# KiCad board Thermal_Camera.kicad_pcb (continued)
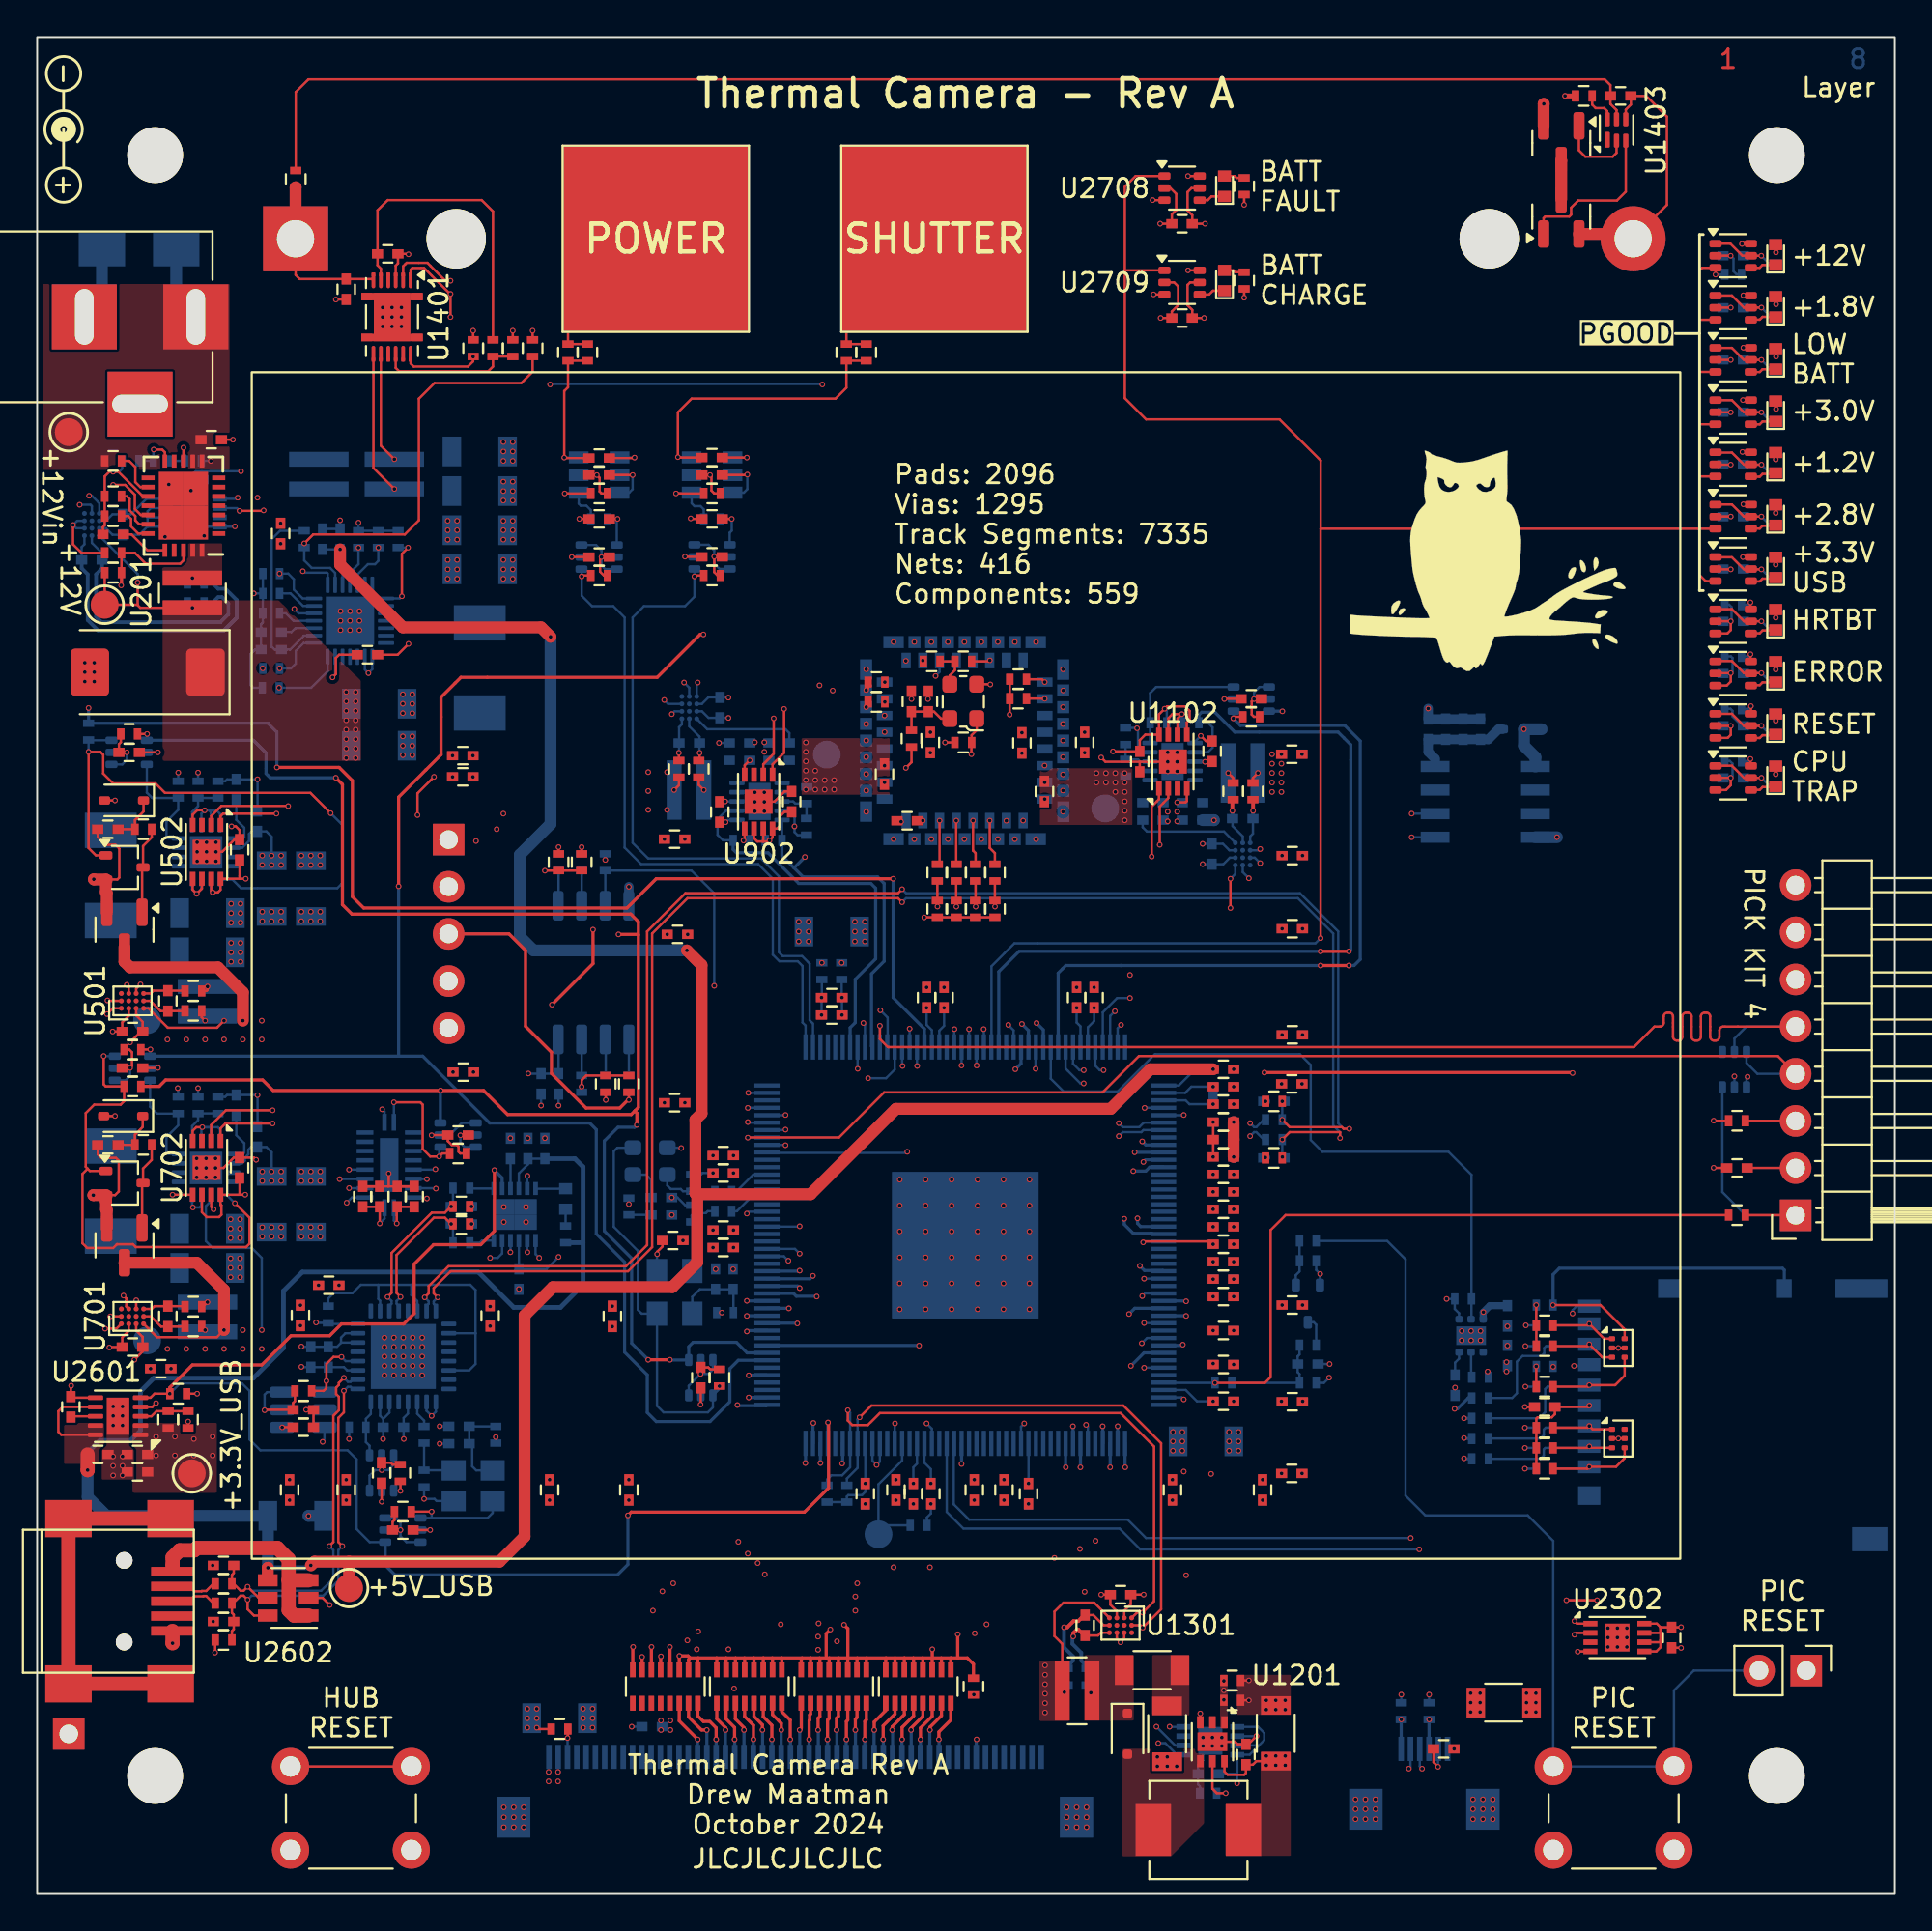
[diagram p0: board, top side]
## Routing (per net, layer and track width the routed paths; a pad name or vN(x,y) marks a point on that pad's centre or on a via; arc(x,y) is an arc through that point) (continued)
Net-(C607-Pad1): length 0.4
  Top w0.127: v1(9.17,31.87) 8.93,31.63 R605.2
Net-(C802-Pad1): length 0.8
  Top w0.127: R805.2 35.61,59.73 v1(35.89,59.45)
Net-(C1003-Pad1): length 0.6
  Top w0.127: R1006.2 64.38,60.1 v1(64.11,60.37)
Net-(C1405-Pad2): length 1.9
  Top w0.127: C1405.2 19.41,66.74 v1(19.99,67.32)
Net-(C1501-Pad1): length 5.8
  Bottom w0.127: R1503.2 67.95,29.05 67.85,28.95 C1501.1 67.85,28.1 67.95,28 R1504.2 R1505.2
Net-(C2905-Pad1): length 2.6
  Top w0.127: v1(37.39,74.05) C2905.1
  Bottom w0.127: R2907.1 v1(37.39,74.05) 37.39,73.42 37.28,73.31 U2903.1
Net-(C2906-Pad1): length 2.4
  Top w0.127: C2906.1 v1(31.24,74.05)
  Bottom w0.127: U2904.1 31.2,74.01 v1(31.24,74.05) R2908.1
Net-(D401-K): length 2.6
  Top w0.127: C403.1 R404.1 5.27,57.83 5.73,58.29 D401.1
Net-(D601-K): length 2.6
  Top w0.127: D601.1 5.68,41.31 5.27,40.89 R604.1 C603.1
Net-(D1201-K): length 0.5
  Bottom w0.127: R1204.2 56.52,11.04 v1(56.72,10.83)
Net-(D1501B-K2): length 12.8
  Top w0.127: L1501.2 94.65,36.56 J1501.1
  Bottom w0.127: J1501.1 91.96,36.55 90.71,37.8 D1501.3
Net-(D2001A-K1): length 5.5
  Top w0.127: R2013.2 83.47,30.62 v1(83.55,30.7) 84.35,29.9 D2001.1
  Bottom w0.127: R2013.2 83.47,30.62 v1(83.55,30.7)
Net-(D2001B-K2): length 11.3
  Top w0.127: D2001.3 84.25,28.9 v1(83.55,29.6) 83.45,29.5 R2014.2
  Bottom w0.127: R2010.1 79.4,26.71 79.65,26.96 79.65,28.66 79.96,28.97 80.97,28.97 81.13,29.12 81.13,29.4 81.23,29.5 R2014.2 83.45,29.5 v1(83.55,29.6)
Net-(D2001C-K3): length 12
  Top w0.127: D2001.4 85.46,27.91 84.94,27.4 v1(83.55,27.4) 83.47,27.32 R2015.2
  Bottom w0.127: v1(83.55,27.4) 83.47,27.32 R2015.2 81.31,27.32 81.18,27.19 81.18,25.95 80.85,25.62 R2008.1
Net-(D2002A-K1): length 9.2
  Top w0.127: R2016.2 83.46,25.11 v1(83.55,25.2) 83.73,25.02 D2002.1
  Bottom w0.127: R2009.1 80.92,24.52 81.1,24.7 81.1,25.01 81.2,25.11 R2016.2 83.46,25.11 v1(83.55,25.2)
Net-(D2002B-K2): length 9.1
  Top w0.127: D2002.3 83.63,24.02 v1(83.55,24.1) 83.47,24.02 R2017.2
  Bottom w0.127: v1(83.55,24.1) 83.47,24.02 R2017.2 81.18,24.02 81.1,23.94 81.1,23.61 80.92,23.43 R2007.1
Net-(D2002C-K3): length 6.6
  Top w0.127: R2019.2 83.45,22.9 v1(83.55,23) 84.99,23 85.46,23.47 D2002.4
  Bottom w0.127: v1(83.55,23) 83.45,22.9 R2019.2
Net-(D2201-A): length 0.9
  Bottom w0.127: R2201.2 D2201.2
Net-(D2301-K): length 5.8
  Bottom w0.508: U2301.8 75.25,61.13 74.88,61.51 C2304.1 C2301.1 78.11,62.18 78.66,62.73 D2301.1
Net-(D2701-A): length 0.8
  Top w0.127: v1(93.6,88.4) 93.58,88.42 D2701.2
  Bottom w0.127: v1(93.6,88.4) 93.6,88.71 R2702.2
Net-(D2701-K): length 1.4
  Top w0.127: U2701.4 92.72,87.58 92.87,87.73 D2701.1
Net-(D2702-A): length 0.8
  Top w0.127: 93.59,86.03 93.59,85.63 v1(93.61,85.61)
  Bottom w0.127: v1(93.61,85.61) 93.61,85.92 93.59,85.93
Net-(D2702-K): length 1.4
  Top w0.127: 92.25,84.78 92.73,84.78 92.88,84.93 93.59,84.93
Net-(D2703-A): length 0.8
  Top w0.127: 93.59,83.21 93.59,82.81 v1(93.61,82.79)
  Bottom w0.127: 93.59,83.11 93.61,83.1 v1(93.61,82.79)
Net-(D2703-K): length 1.4
  Top w0.127: 92.25,81.96 92.73,81.96 92.88,82.11 93.59,82.11
Net-(D2704-A): length 0.8
  Top w0.127: v1(93.61,79.97) 93.59,79.99 93.59,80.4
  Bottom w0.127: v1(93.61,79.97) 93.61,80.28 93.59,80.3
Net-(D2704-K): length 1.4
  Top w0.127: 92.25,79.14 92.73,79.14 92.88,79.3 93.59,79.3
Net-(D2705-A): length 0.5
  Top w0.127: v1(93.59,77.25) 93.59,77.58
  Bottom w0.127: v1(93.59,77.25) 93.59,77.48
Net-(D2705-K): length 1.4
  Top w0.127: 93.59,76.48 92.88,76.48 92.73,76.32 92.25,76.32
Net-(D2706-A): length 0.7
  Top w0.127: v1(93.59,74.37) 93.59,74.78
  Bottom w0.127: v1(93.59,74.37) 93.59,74.68
Net-(D2706-K): length 1.4
  Top w0.127: 93.59,73.68 92.88,73.68 92.73,73.53 92.25,73.53
Net-(D2707-A): length 0.6
  Top w0.127: v1(93.59,71.59) 93.59,71.94
  Bottom w0.127: v1(93.59,71.59) 93.59,71.84
Net-(D2707-K): length 1.4
  Top w0.127: 92.25,70.69 92.73,70.69 92.88,70.84 93.59,70.84
Net-(D2708-A): length 1.1
  Top w0.127: D2708.2 64.46,92.52 64.56,92.42 R2709.2
Net-(D2708-K): length 1.4
  Top w0.127: U2708.4 63.01,91.22 63.21,91.42 D2708.1
Net-(D2709-A): length 1.1
  Top w0.127: R2710.2 64.49,87.34 64.39,87.44 D2709.2
Net-(D2709-K): length 1.4
  Top w0.127: U2709.4 63.09,86.14 63.29,86.34 D2709.1
Net-(D2801-A): length 0.7
  Top w0.127: v1(93.59,68.74) 93.59,69.14
  Bottom w0.127: v1(93.59,68.74) 93.59,69.04
Net-(D2801-K): length 1.4
  Top w0.127: 93.59,68.04 92.88,68.04 92.73,67.89 92.25,67.89
Net-(D2802-A): length 0.7
  Top w0.127: v1(93.59,65.94) 93.59,66.35
  Bottom w0.127: v1(93.59,65.94) 93.59,66.25
Net-(D2802-K): length 1.4
  Top w0.127: 93.59,65.25 92.88,65.25 92.73,65.1 92.25,65.1
Net-(D2803-A): length 0.5
  Top w0.127: v1(93.59,63.18) 93.59,63.5
  Bottom w0.127: v1(93.59,63.18) 93.59,63.4
Net-(D2803-K): length 1.4
  Top w0.127: 93.59,62.4 92.88,62.4 92.73,62.25 92.25,62.25
Net-(D2804-A): length 0.7
  Top w0.127: v1(93.59,60.3) 93.59,60.71
  Bottom w0.127: v1(93.59,60.3) 93.59,60.61
Net-(D2804-K): length 1.4
  Top w0.127: 92.25,59.46 92.73,59.46 92.88,59.61 93.59,59.61
Net-(J1401--): length 14.1
  Top w0.127: J1401.2 87.73,90.96 87.73,95.72 86.62,96.83 C1414.1 85.79,96.37 85.52,96.1 U1403.4
  Top w0.635: Q1401.2 85.65,89.4 J1401.2
Net-(J1501-Pin_3): length 2.7
  Top w0.127: J1501.3 94.65,41.64 L1502.1
Net-(J1502-Pin_2): length 54.7
  Bottom w0.127: R1501.1 72.67,35.17 73.66,34.18 73.66,21.45 74.73,20.38 80.24,20.38 81.61,19.01 SW1501.2 SW1501.2 88.11,10.96 89.18,12.03 J1502.2
Net-(J2601-VBUS): length 12.2
  Top w0.762: 13.54,16.9 13.54,18.02 12.93,18.63 8.59,18.63 8.46,18.5 7.67,18.5 7.29,18.12 7.29,17.69 7.29,17.69 ; 13.54,16.9 13.54,15.28 13.83,14.99 U2602.1 ; 13.54,16.9 13.55,16.89 U2602.3
Net-(Q401-D): length 4.7
  Top w0.127: R404.2 6.16,56.9 5.7,56.44 Q401.3 5.65,55.23 Q402.1
Net-(Q601-D): length 4.7
  Top w0.127: Q602.1 5.65,38.23 Q601.3 5.7,39.06 6.16,39.53 R604.2
Net-(Q1401-D): length 2.1
  Top w0.635: Q1402.3 82.04,93.35 Q1401.3
Net-(Q1401-G): length 8.8
  Top w0.127: Q1401.1 81.09,90.25 81.18,90.34 82.47,90.34 82.58,90.44 82.58,90.82 82.96,91.2 85.04,91.2 85.52,91.68 U1403.3
Net-(Q1402-G): length 4.2
  Top w0.127: U1403.2 85.02,93.77 84.81,93.56 83.34,93.56 82.99,93.9 Q1402.1
Net-(Q1501-D): length 1.6
  Bottom w0.127: R1503.1 68.85,30.65 68.72,30.79 Q1501.3
Net-(Q1501-G): length 2.5
  Bottom w0.127: Q1501.1 67.75,33.32 67.95,33.52 R1502.1 R1501.2
Net-(R205-Pad2): length 0.4
  Bottom w0.127: R205.2 8.09,70.6 v1(8.36,70.87)
Net-(SW2901-TP): length 8.7
  Top w0.127: SW2901.1 43.56,84.4 R2902.1 R2901.1
Net-(SW2902-TP): length 8.7
  Top w0.127: SW2902.1 28.58,84.42 R2904.1 R2903.1
Net-(U201-dVdT): length 2.6
  Top w0.127: C201.1 5.08,73.22 5.93,72.37 U201.20
Net-(U201-ILIM): length 2.1
  Top w0.127: U201.19 5.44,73.27 5.05,73.65 5.05,74.05 4.9,74.21 R206.1
Net-(U201-IMON): length 2.6
  Top w0.127: R211.1 4.83,75.27 4.98,75.12 4.98,74.51 5.28,74.21 5.28,73.98 5.5,73.77 U201.18
Net-(U201-OVP): length 2.5
  Top w0.127: U201.12 6.87,77.64 6.73,77.79 v1(6.27,77.79)
  Bottom w0.127: R203.1 R202.2 6.26,77.77 v1(6.27,77.79)
Net-(U201-RTN): length 9.5
  Top w0.127: v1(7.09,75.91) 7.21,75.78 U201.25 ; v1(8.99,73.14) 8.54,73.59 U201.25 ; v1(8.28,75.58) 8.38,75.68 U201.25 ; U201.15 5.7,75.27 4.37,76.59 v1(4.09,76.59) 3.89,76.59 3.64,76.35 R211.2 R206.2 3.64,73.71 3.54,73.61 C201.2 ; v1(6.88,73.09) 7.21,73.42 U201.25
  Bottom w0.127: R203.2 4.58,76.75 4.42,76.59 v1(4.09,76.59)
Net-(U201-UVLO): length 2.2
  Top w0.127: U201.10 v1(7.87,77.89)
  Bottom w0.127: R202.1 R201.2 7.93,77.53 7.87,77.58 v1(7.87,77.89)
Net-(U201-~{SHDN}): length 2.5
  Top w0.127: R204.2 4.95,77.18 5.28,76.85 5.28,76.04 5.55,75.77 U201.14
Net-(U402-FB): length 2.7
  Bottom w0.127: R409.1 R408.2 8.66,58.59 8.34,58.27 U402.5
Net-(U402-PG): length 6.4
  Bottom w0.127: U401.6 5.9,59.31 6.19,59.02 R403.2 7.59,58.38 6.96,57.75 6.96,56.96 7.07,56.85 U402.4
Net-(U402-SS/TR): length 2.8
  Bottom w0.127: C405.1 10.72,57.85 11.15,57.42 11.15,56.91 11.09,56.85 U402.9
Net-(U602-FB): length 2.7
  Bottom w0.127: 9.73,42.04 8.66,42.04 8.66,41.67 8.34,41.35 8.34,40.57
Net-(U602-PG): length 6.1
  Bottom w0.127: U601.6 6.08,42.4 6.45,42.02 R603.2 ; U602.4 7.08,39.85 6.96,39.97 6.96,40.76 7.59,41.39 7.59,42.04
Net-(U602-SS/TR): length 2.8
  Bottom w0.127: 10.72,41.94 10.72,40.86 11.15,40.43 11.15,39.92 11.08,39.85 10.57,39.85
Net-(U801-FB): length 2.2
  Bottom w0.127: R807.1 R806.2 40.81,58.72 40.69,58.84 U801.3
Net-(U801-NR/SS): length 0.9
  Top w0.127: v1(37.03,58.84) 37.02,58.82 C803.1
  Bottom w0.127: v1(37.03,58.84) U801.8
Net-(U1002-FB): length 2.2
  Bottom w0.127: U1002.3 59.37,60.98 59.26,61.1 R1007.2 R1008.1
Net-(U1002-NR/SS): length 0.9
  Top w0.127: v1(62.87,60.97) 63.23,60.97 C1004.1
  Bottom w0.127: U1002.8 62.85,60.98 v1(62.87,60.97)
Net-(U1401-BIN): length 7.8
  Top w0.127: U1401.10 19.3,82.19 19.48,82 24.28,82 24.54,82.26 R1402.2 TH1401.1
Net-(U1401-V_{DD}): length 17.5
  Top w0.127: U1401.5 18.5,87.53 18.32,87.71 C1408.1 18.32,90.67 18.87,91.22 23.93,91.22 24.54,90.61 R1402.1
Net-(U1402-BST): length 3.5
  Top w0.127: v1(15.9,65.52) 16.08,65.7 16.08,66.56 16.26,66.74 C1405.1
  Bottom w0.127: U1402.6 16.04,65.66 v1(15.9,65.52)
Net-(U1402-CT): length 1.8
  Bottom w0.127: C1407.1 13.69,67.96 13.9,68.17 U1402.10
Net-(U1402-IDC): length 2
  Bottom w0.127: U1402.11 13.79,68.57 13.39,68.97 R1406.1
Net-(U1402-ISET): length 2.1
  Bottom w0.127: U1402.13 14.31,69.37 13.64,70.04 R1411.1
Net-(U1402-THM): length 24.3
  Top w0.127: TH1402.1 26.67,81.98 26.06,81.37 21.39,81.37 20.55,80.53 20.55,73.98 19.79,73.22 14.86,73.22 v1(14.38,72.73)
  Bottom w0.127: R1410.2 14.38,71.82 14.78,71.41 15.77,71.41 16.04,71.15 U1402.16
  Bottom w0.169: R1410.2 v1(14.38,72.73)
Net-(U1402-VL): length 10.4
  Bottom w0.127: U1402.9 14.36,67.77 13.61,67.02 C1411.1 12.78,67.02 12.62,67.17 12.62,72.96 13.07,73.41 R1410.1
Net-(U1403-BAT): length 77.4
  Top w0.127: U1403.5 85.02,96.07 84.69,96.4 C1414.2 84.69,97.42 84.38,97.73 14.6,97.73 13.92,97.04 R1415.1
Net-(U1403-V-): length 1.9
  Top w0.127: R1414.1 83.71,96.37 83.9,96.18 84.35,96.18 84.52,96.01 U1403.6
Net-(U2001-SCK): length 2
  Bottom w0.127: U2001.6 30.61,45.99 R2026.1
Net-(U2001-SI): length 1.9
  Bottom w0.127: R2027.1 U2001.5
Net-(U2001-SO): length 1.9
  Bottom w0.127: R2028.1 U2001.2
Net-(U2001-~{CE}): length 1.9
  Bottom w0.127: U2001.1 28.07,53.24 R2025.1
Net-(U2001-~{HOLD}): length 1.9
  Bottom w0.127: R2018.2 U2001.7
Net-(U2002-CT): length 1.3
  Bottom w0.127: 76.54,29.17 76.54,28.83 76.33,28.61 C2006.1
Net-(U2002-QOD): length 1.4
  Bottom w0.127: R2030.2 77.19,27.86 U2002.2
Net-(U2201-3V3OUT): length 1.6
  Bottom w0.127: C2207.1 25.48,39.59 U2201.3
Net-(U2203-~{OE}): length 7.3
  Top w0.127: v1(19.2,42.63) 20.62,42.63 20.75,42.51 20.75,40.12 21.16,39.71 v1(21.64,39.71) 21.81,39.88 R2202.2
  Bottom w0.127: v1(19.2,42.63) 19.2,41.56 U2203.11 ; v1(21.64,39.71) 21.64,40.15 U2202.4
Net-(U2401-GPIO3): length 1
  Top w0.127: R2414.1 54.22,64.38 v1(54.24,64.36)
Net-(U2401-SPI_CLK): length 2.4
  Top w0.127: v1(49.48,57.8) 49.47,57.8 R2412.1
Net-(U2401-SPI_MISO): length 2.4
  Top w0.127: R2411.1 50.51,56.05 50.38,56.19 v1(50.38,57.8)
Net-(U2401-SPI_MOSI): length 2.5
  Top w0.127: v1(51.28,57.8) 51.28,56.33 51.56,56.05 R2410.1
Net-(U2401-~{SPI_CS}): length 2.4
  Top w0.127: v1(48.58,57.8) 48.58,55.57 R2413.1
Net-(U2502-CT): length 0.6
  Top w0.127: v1(13.19,25.12) 13.2,25.13 C2501.1
Net-(U2502-~{MR}): length 25.5
  Top w0.127: SW2501.2 SW2501.2
  In5.Cu w0.127: SW2501.2 13.64,9.36 15.31,11.03 15.31,24.29 v1(15.37,24.35)
  Bottom w0.127: U2502.3 15.46,24.44 v1(15.37,24.35)
Net-(U2504-SUSPND): length 3.1
  Bottom w0.127: U2503.1 17.89,24.13 17.7,24.33 R2506.1 17.7,25.58 17.96,25.85 U2504.32
Net-(U2504-~{OVRCUR1}): length 18.8
  Bottom w0.127: R2507.2 15.67,32.07 15.95,32.35 16.97,32.35 17.42,32.8 18.36,32.8 ; 20.14,32.8 23.32,32.8 23.6,32.52 23.6,30.19 ; 20.14,32.8 20.14,32.25 20.46,31.93 U2504.14 ; 20.14,32.8 18.36,32.8 ; U2504.18 23.59,30.19 23.6,30.19 ; 18.36,32.8 18.36,32.04 18.46,31.95 U2504.10 ; 23.6,30.19 23.6,28.54 23.25,28.19 U2504.22
Net-(U2601-FB): length 2.7
  Top w0.127: U2601.3 6.15,25.72 6.42,25.99 R2604.2 R2605.1
Net-(U2601-NR/SS): length 1.3
  Top w0.127: U2601.8 1.86,25.72 C2602.1
Net-(U2901-OUT): length 4.2
  Top w0.127: R2905.1 v1(34.39,75.43)
  Bottom w0.127: v1(34.39,75.43) 35.19,75.43 U2901.1 35.23,74.89 35.38,74.74 35.71,74.74 35.88,74.57 R2907.2
Net-(U2901-SNS): length 2.1
  Top w0.127: C2901.1 v1(38.2,77.36)
  Bottom w0.127: U2901.4 37.44,77.36 v1(38.2,77.36)
Net-(U2901-SNSK): length 16.6
  Top w0.127: C2901.2 34.52,77.36 v1(34.49,77.38) 34.49,79.79 35.23,80.53 42.98,80.53 43.56,81.12 R2902.2 R2901.2
  Bottom w0.127: v1(34.49,77.38) 35.22,77.38 U2901.3
Net-(U2902-OUT): length 4
  Top w0.127: R2906.1 v1(28.4,75.43)
  Bottom w0.127: v1(28.4,75.43) 29.11,75.43 U2902.1 29.15,74.87 29.26,74.77 29.57,74.77 29.8,74.53 R2908.2
Net-(U2902-SNS): length 2.2
  Top w0.127: v1(32.16,77.36) 32.13,77.33 C2902.1
  Bottom w0.127: v1(32.16,77.36) 31.36,77.36 U2902.4
Net-(U2902-SNSK): length 8.5
  Top w0.127: R2903.2 R2904.2 28.58,81.14 28.37,80.94 v1(28.37,77.36) 28.4,77.33 C2902.2
  Bottom w0.127: v1(28.37,77.36) 29.14,77.36 U2902.3
Net-(X1601-OUT): length 3.3
  Bottom w0.127: R1605.1 35.24,37.83 R1603.1 34.77,37.84 34.65,37.96 34.11,37.96 33.92,38.15 X1601.3
Net-(X1601-VDD): length 4.2
  Bottom w0.127: L1601.1 33.05,36.57 C1604.1 C1602.1 33.05,38.46 32.78,38.73 X1601.4
Net-(X1602-OUT): length 4.4
  Bottom w0.127: R1606.1 36.09,36.77 35.99,36.67 35.36,36.67 35.23,36.54 R1604.1 35.27,36.15 X1602.3
Net-(X1602-Vdd): length 4.5
  Bottom w0.127: L1602.1 37.48,32.54 C1605.1 C1603.1 35.67,32.56 35.27,32.15 X1602.4
Net-(X2401-OUT): length 2.1
  Top w0.127: R2415.1 R2409.1 49.4,65.9 49.13,65.63 X2401.3
Net-(X2401-VDD): length 3.2
  Top w0.127: 49.13,63.3 48.65,63.3 48.28,63.67 C2401.1 C2402.1 47.07,63.67 L2401.1
Net-(X2501-OUT): length 3.1
  Bottom w0.127: R2501.1 R2502.1 22.41,22.81 X2501.3
Net-(X2501-Vdd): length 4.9
  Bottom w0.127: L2501.1 23.26,25.18 C2505.1 C2504.1 23.42,24.08 23.42,23.03 23.64,22.81 X2501.4

## Copper pours and planes (outline as drawn; the poured copper is in the pictures)
+1.2V on Top, In3.Cu: 53.97,60.62 53.97,57.57 58.95,57.57 58.95,60.62
+1.2V on Bottom: 60.35,60.62 56.67,60.62 56.67,57.57 60.07,57.57 60.07,59.09 60.35,59.37
+1.8V on Bottom: 5.08,31.23 12.34,31.23 12.34,29.1 5.08,29.1
+1.8V on Bottom: 63.63,41.82 63.63,28.26 62.99,28.26 62.56,27.83 59.94,27.83 59.94,38.85 61.34,38.85 61.39,38.9 61.39,40.22 62.99,41.82
+1.8V on Bottom: 65.3,61.96 67.49,61.96 67.49,58.76 65.3,58.76
+1.8V on In1.Cu: 6.6,31.23 6.6,21.68 67.49,21.68 67.49,61.94 34.39,61.94 34.39,31.23
+2.8V on Top, In3.Cu: 41.15,62.24 41.15,59.19 45.9,59.19 45.9,62.24
+2.8V on Bottom: 39.67,59.19 43.36,59.19 43.36,62.24 39.95,62.24 39.95,60.72 39.67,60.44
+3.0V on Bottom: 34.72,61.07 32.56,61.07 32.56,57.82 34.72,57.82
+3.0V on Bottom: 37.19,40.02 37.19,38.57 37.8,38.57 38.25,39.03 39.98,39.03 39.98,39.66 38.25,39.66 37.9,40.02
+3.0V on Bottom: 37.19,36 37.19,34.56 37.8,34.56 38.25,35.01 39.98,35.01 39.98,35.65 38.25,35.65 37.9,36
+3.0V on Bottom: 33.35,6.69 34.24,6.69 34.24,9.51 33.35,9.51
+3.0V on Bottom: 5.08,47.89 12.34,47.89 12.34,45.76 5.08,45.76
+3.0V on In3.Cu: 0.03,-0.01 100.03,-0.01 100.03,99.99 0.03,99.99
+3.0V_SD on Bottom: 77.65,29.38 79.43,29.38 79.43,27.47 77.65,27.47
+3.0V_SD on In3.Cu: 77.57,29.54 80.11,32.08 86.21,32.08 86.21,22.38 77.57,22.38
+3.0VA_MZ on Bottom: 41.78,44.92 42.67,44.92 42.67,49.47 41.78,49.47
+3.3V_USB on Top: 5.13,25.36 9.65,25.36 9.68,25.34 9.68,21.6 5.13,21.6
+3.3V_USB on In3.Cu: 0.03,-0.01 0.03,27.66 0.05,27.69 13.69,27.69 13.69,32.74 19.05,32.74 19.05,38.56 19.08,38.58 24.82,38.58 24.82,41.12 29.21,41.12 29.24,41.1 29.24,17.5 23.27,17.5 23.27,-0.03 0.04,-0.03
+5V_USB on Top: 3.61,25.36 1.45,25.36 1.45,23.15 3.61,23.15
+12V on Top: 6.76,69.66 6.76,61.02 17.42,61.02 17.42,65.34 13,69.66
+12V on Bottom: 17.42,61.02 17.42,67.07 16.33,67.07 16.33,61.02
+12Vin on Top: 0,76.7 10.36,76.7 10.36,86.7 0,86.7
GND on Top: 4.95,26.73 3.73,26.73 3.73,24.14 3.48,23.89 3.48,22.31 5.21,22.31 5.21,23.89 4.95,24.14
GND on Top: 64.59,11.8 67.49,11.8 67.49,9.64 64.59,9.64
GND on Bottom: 27.36,5.91 28.24,5.91 28.24,8.06 27.36,8.06
GND on Bottom: 61.72,61.99 60.5,61.99 60.5,59.4 60.25,59.14 60.25,57.57 61.98,57.57 61.98,59.14 61.72,59.4
GND on Bottom: 38.28,57.82 39.5,57.82 39.5,60.41 39.75,60.67 39.75,62.24 38.02,62.24 38.02,60.67 38.28,60.41
GND on In1.Cu, In4.Cu, In6.Cu: 0,-0.01 100,-0.01 100,99.99 0,99.99
GNDA_MZ on Bottom: 42.85,44.92 43.74,44.92 43.74,49.47 42.85,49.47
VBAT on Bottom: 20.83,76.87 20.83,90.89 12.17,90.89 12.17,76.87
BACKLIGHT_ANODE on Top: 55.58,12.53 53.95,12.53 53.95,9.31 55.58,9.31
BACKLIGHT_ANODE on Bottom: 53.21,6.72 53.21,9.31 54.53,9.31 54.53,12.53 52.4,12.53 52.4,6.72
BACKLIGHT_CATHODE on Top: 63.68,8.9 63.68,11.8 64.08,11.8 64.08,8.9
BACKLIGHT_CATHODE on Bottom: 53.39,6.72 59.64,6.72 59.64,10.12 64.08,10.12 64.08,11.8 57.78,11.8 57.78,9.39 53.39,9.39
BATT_SNS- on Bottom: 22.83,78.5 13.56,78.5 13.56,70.07 19.86,70.07 20.83,71.03 20.83,73.47 21.82,74.46 22.83,74.46
VCOM on Top: 65.86,4.84 65.86,7.66 67.49,7.66 67.49,2.04 63.96,2.04 63.96,4.84
VCOM on Bottom: 18.34,68.87 20.02,68.87 20.75,69.61 22.83,69.61 22.83,74.26 21.82,74.26 21.03,73.47 21.03,71.03 19.48,69.48 18.34,69.48
VCOM on Bottom: 15.54,38.14 10.16,38.14 10.16,39 11.05,39 11.2,39.15 15.54,39.15
VCOM on Bottom: 15.54,55.13 10.16,55.13 10.16,55.99 11.05,55.99 11.2,56.15 15.54,56.15
VCOM on In1.Cu: 22.86,38.11 0,38.14 0,73.2 20.8,73.2 21.84,74.24 22.86,74.24
VCOM on In1.Cu: 67.49,0.47 67.49,21.68 6.6,21.68 6.6,31.23 15.62,31.23 15.62,39.64 0,39.64 0,0.47
Net-(C407-Pad1) on Bottom: 10.77,48.48 10.77,53.66 2.57,53.66 2.57,48.48
Net-(C607-Pad1) on Bottom: 10.77,31.46 10.77,36.64 2.57,36.64 2.57,31.46
Net-(C802-Pad1) on Bottom: 35.48,57.85 38.1,57.85 38.1,61.3 35.48,61.3
Net-(C1003-Pad1) on Bottom: 64.52,61.96 61.9,61.96 61.9,58.51 64.52,58.51
Net-(C1203-Pad2) on Top: 60.02,9.61 60.02,12.87 62.03,12.87 62.03,9.61
Net-(C1405-Pad2) on Bottom: 18.34,67.88 21.84,67.88 25.17,64.55 25.22,64.55 25.22,62.65 22.43,62.65 22.43,64.55 20.04,66.94 18.34,66.94
Net-(D1201-A) on Top: 58.42,7.81 62.81,7.81 62.81,3.8 61.04,2.02 58.42,2.02
Net-(D1201-K) on Top: 56.39,9.33 59.03,9.33 59.03,12.87 56.39,12.87
Net-(L401-Pad1) on Bottom: 8.03,56.48 7.11,56.48 5.36,58.23 2.57,58.23 2.57,56.3 3.66,55.21 8.03,55.21
Net-(L601-Pad1) on Bottom: 8.03,39.48 7.11,39.48 5.36,41.24 2.57,41.24 2.57,39.31 3.66,38.21 8.03,38.21
Net-(L1401-Pad1) on Bottom: 18.34,68.67 20.02,68.67 20.75,69.41 25.22,69.41 25.22,67.5 22.43,67.5 21.87,68.06 18.34,68.06
Net-(R205-Pad2) on Top: 9.96,72.73 9.96,70.45 6.73,70.45 6.73,71.39 8.08,72.73
Net-(U201-RTN) on In6.Cu: 9.22,76.75 3.05,76.75 3.05,72.02 9.22,72.02

## Text on the board
Bottom: 8
B.Silkscreen: +1.2V | USB COM Port: / 115200 bps / 8 bit data length / No parity / 1 stop bit / No flow control | +3.0V | +1.8V | REFCLK1 | GND | FLASH PROG | UART TRX | +2.8V | + | Thermal Camera / Rev A | -
User.Comments: F.Silkscreen | F.Paste | F.Mask | F.Cu | Dielectric 1 | In1.Cu | Dielectric 2 | In2.Cu | Dielectric 3 | In3.Cu | Dielectric 4 | In4.Cu | Dielectric 5 | In5.Cu | Dielectric 6 | In6.Cu | Dielectric 7 | B.Cu | B.Mask | B.Paste | B.Silkscreen | Top Silk Screen | Top Solder Paste | Top Solder Mask | copper | prepreg | core | Bottom Solder Mask | Bottom Solder Paste | Bottom Silk Screen | Not specified | FR4 | 0 mils | 0.3937007874 mils | 1.38 mils | 4.58 mils | 0.6 mils | 11.81 mils | 6.02 mils | 1 | 3.3 | 4.5 | 0 | 0.02 | Copper Layer Count: | Board overall dimensions: | Min track/spacing: | Copper Finish: | Castellated pads: | Edge card connectors: | 8 | 100.0000 mm x 100.0000 mm | 0.0889 mm / 0.0889 mm | None | No | Board Thickness: | Min hole diameter: | Impedance Control: | Plated Board Edge: | 1.6199 mm | 0.2000 mm | Yes | Layer Name | Type | Material | Thickness (mils) | Color | Epsilon R | Loss Tangent | JLC08161H-2116 Stackup | BOARD CHARACTERISTICS
Top: 1
F.Silkscreen: +12Vin | +12V | BATT / FAULT | BATT / CHARGE | +1.8V | LOW / BATT | +3.0V | +1.2V | +2.8V | +3.3V / USB | HRTBT | ERROR | RESET | CPU / TRAP | Layer | Pads: 2096 / Vias: 1295 / Track Segments: 7335 / Nets: 416 / Components: 559 | JLCJLCJLCJLC | Thermal Camera Rev A / Drew Maatman / October 2024 | HUB / RESET | +5V_USB | PIC / RESET | PGOOD | +3.3V_USB | + | - | PICK KIT 4 | POWER | SHUTTER | Thermal Camera - Rev A
In1.Cu: 2
In2.Cu: 3
In3.Cu: 4
In4.Cu: 5
In5.Cu: 6
In6.Cu: 7
